# KiCad board APA102_Matrix.kicad_pcb
title: APA102_Matrix; date: 2022-02-06; rev: 1.0; company: Aditya Sehgal
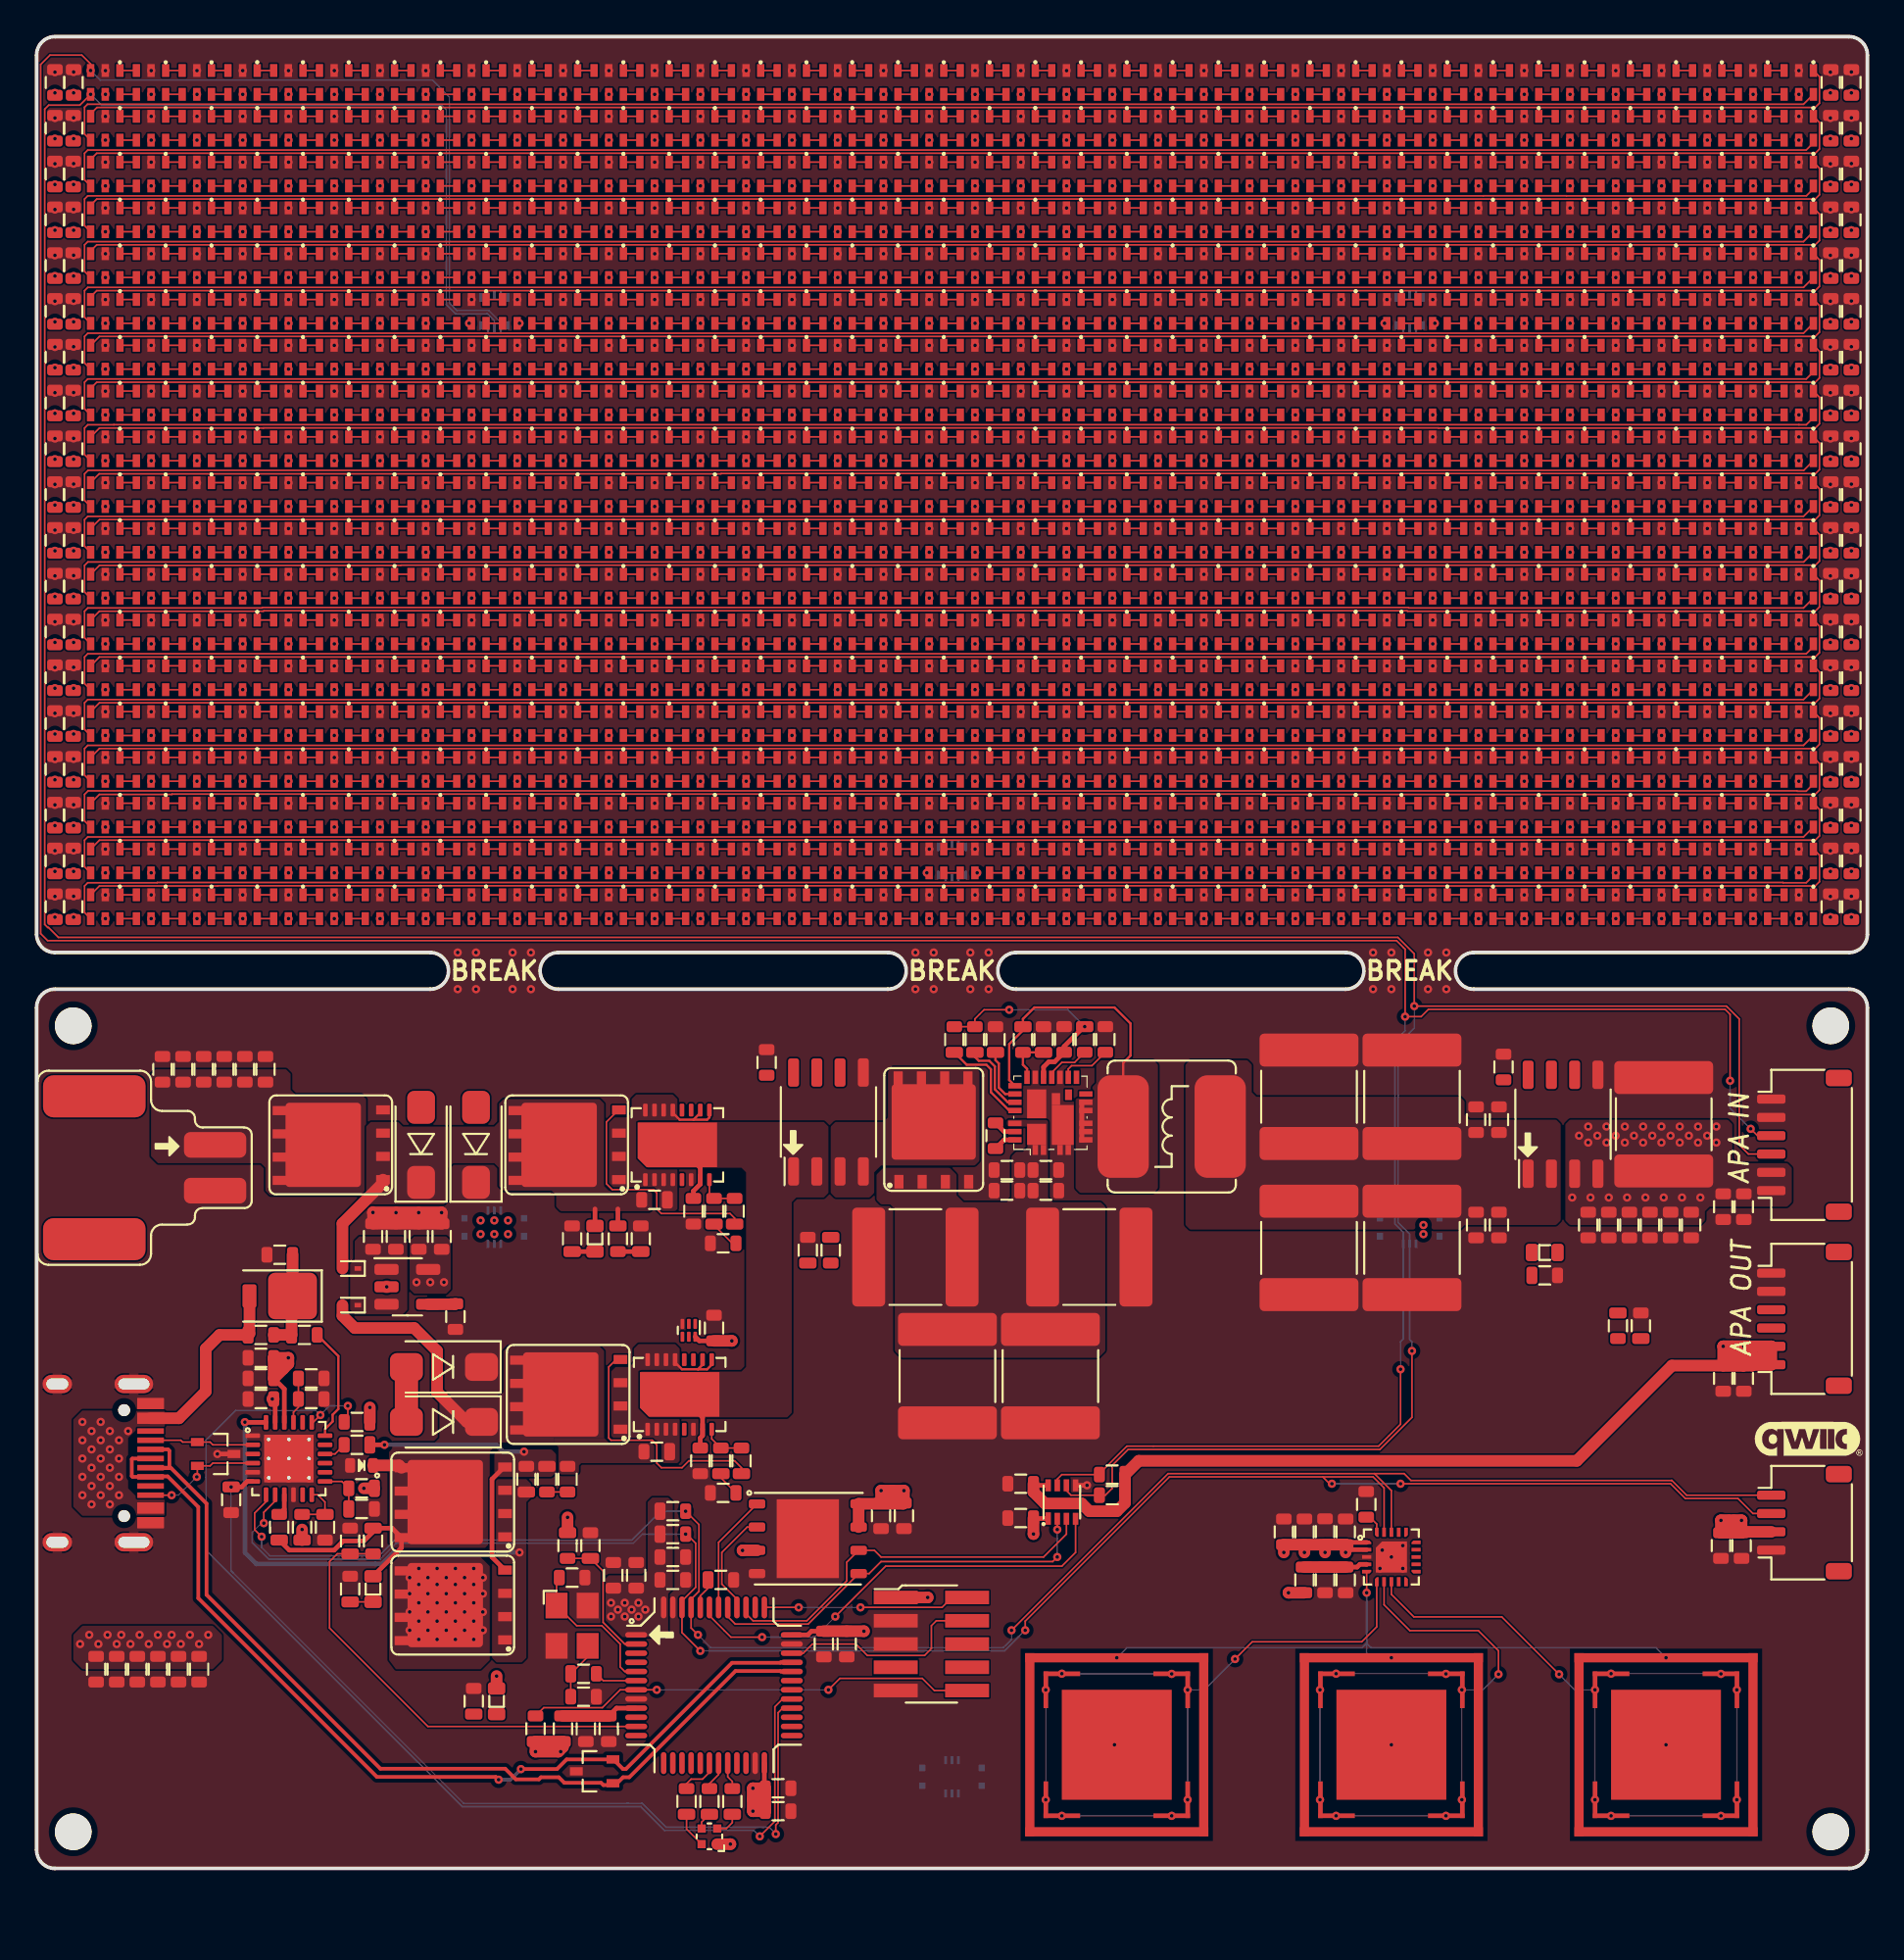
[diagram p0: board, top side]
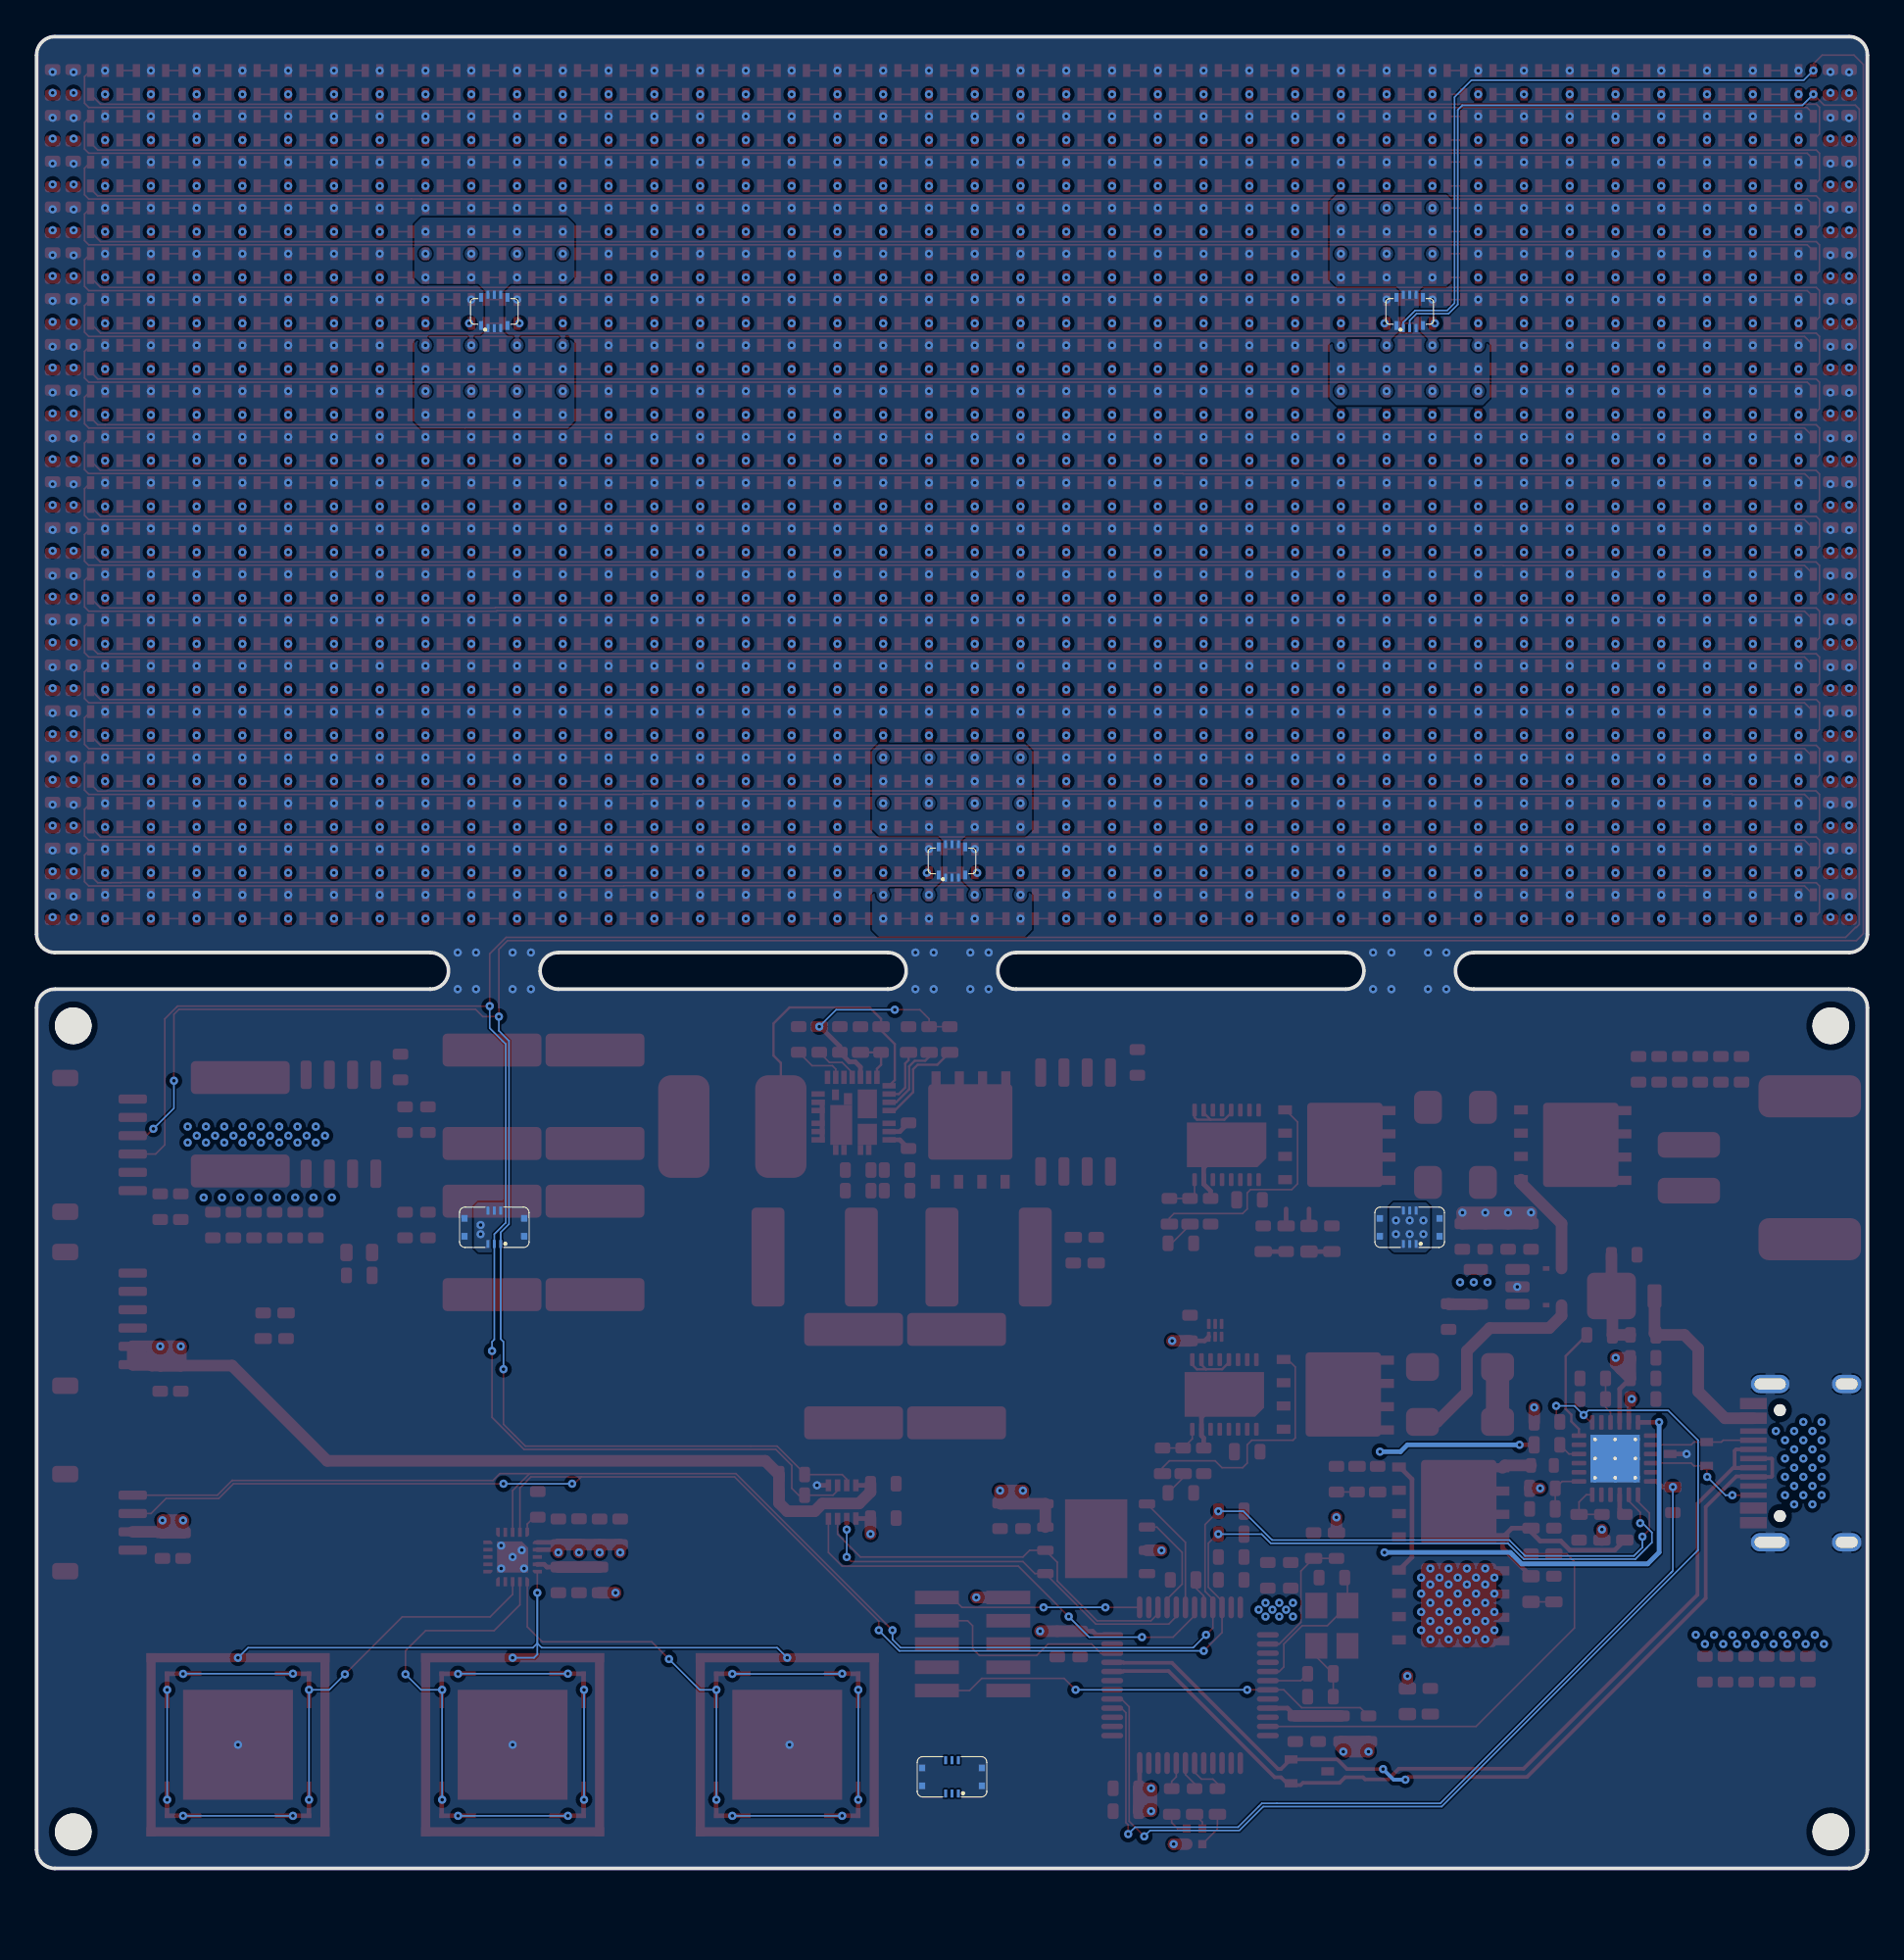
[diagram p1: board, bottom side, seen from below]

Outline 100 x 100 mm; copper layers: F_PWR_SIGNAL.Cu, In1_GND.Cu, In2_PWR.Cu, B_GND_SIGNAL.Cu. Coordinates in mm from the lower left corner of the outline.
Outline path: 0,99 arc(0.29,99.71) 1,100 99,100 arc(99.71,99.71) 100,99 100,51 arc(99.71,50.29) 99,50 78.5,50 arc(77.5,49) 78.5,48 99,48 arc(99.71,47.71) 100,47 100,1 arc(99.71,0.29) 99,0 1,0 arc(0.29,0.29) 0,1 0,47 arc(0.29,47.71) 1,48 21.5,48 arc(22.5,49) 21.5,50 1,50 arc(0.29,50.29) 0,51 0,99 ; 28.5,50 46.5,50 arc(47.5,49) 46.5,48 28.5,48 arc(27.5,49) 28.5,50 ; 53.5,50 71.5,50 arc(72.5,49) 71.5,48 53.5,48 arc(52.5,49) 53.5,50
Stack: F_PWR_SIGNAL.Cu 0.035mm / dielectric 0.2mm FR4 7628*1 er 4.6 / In1_GND.Cu 0.0175mm / dielectric 1.065mm FR4 er 4.6 / In2_PWR.Cu 0.0175mm / dielectric 0.2mm FR4 7628*1 er 4.6 / B_GND_SIGNAL.Cu 0.035mm

## Placement (name value [footprint] x y rotation side)
C1  100nF  [C_0603]  2.02 97.5 90 top
C2  100nF  [C_0603]  1 97.5 90 top
C3  100nF  [C_0603]  98 97.5 90 top
C4  100nF  [C_0603]  99.12 97.5 90 top
C5  100nF  [C_0603]  1 95 90 top
C6  100nF  [C_0603]  2 95 90 top
C7  100nF  [C_0603]  98 95 90 top
C8  100nF  [C_0603]  99.12 95 90 top
C9  100nF  [C_0603]  2 92.5 90 top
C10  100nF  [C_0603]  1 92.5 90 top
C11  100nF  [C_0603]  98 92.5 90 top
C12  100nF  [C_0603]  99.12 92.5 90 top
C13  100nF  [C_0603]  1 90 90 top
C14  100nF  [C_0603]  2 90 90 top
C15  100nF  [C_0603]  99.12 90 90 top
C16  100nF  [C_0603]  98 90 90 top
C17  100nF  [C_0603]  1 87.5 90 top
C18  100nF  [C_0603]  2 87.5 90 top
C19  100nF  [C_0603]  98 87.5 90 top
C20  100nF  [C_0603]  99.12 87.5 90 top
C21  100nF  [C_0603]  1 85 90 top
C22  100nF  [C_0603]  2 85 90 top
C23  100nF  [C_0603]  98 85 90 top
C24  100nF  [C_0603]  99.12 85 90 top
C25  100nF  [C_0603]  1 82.5 90 top
C26  100nF  [C_0603]  2 82.5 90 top
C27  100nF  [C_0603]  98 82.5 90 top
C28  100nF  [C_0603]  99.12 82.5 90 top
C29  100nF  [C_0603]  1 80 90 top
C30  100nF  [C_0603]  2 80 90 top
C31  100nF  [C_0603]  98 80 90 top
C32  100nF  [C_0603]  99.12 80 90 top
C33  100nF  [C_0603]  1 77.5 90 top
C34  100nF  [C_0603]  2 77.5 90 top
C35  100nF  [C_0603]  98 77.5 90 top
C36  100nF  [C_0603]  99.12 77.5 90 top
C37  100nF  [C_0603]  1 75 90 top
C38  100nF  [C_0603]  2 75 90 top
C39  100nF  [C_0603]  98 75 90 top
C40  100nF  [C_0603]  99.12 75 90 top
C41  100nF  [C_0603]  1 72.5 90 top
C42  100nF  [C_0603]  2 72.5 90 top
C43  100nF  [C_0603]  98 72.5 90 top
C44  100nF  [C_0603]  99.12 72.5 90 top
C45  100nF  [C_0603]  1 70 90 top
C46  100nF  [C_0603]  2 70 90 top
C47  100nF  [C_0603]  98 70 90 top
C48  100nF  [C_0603]  99.12 70 90 top
C49  100nF  [C_0603]  1 67.5 90 top
C50  100nF  [C_0603]  2 67.5 90 top
C51  100nF  [C_0603]  98 67.5 90 top
C52  100nF  [C_0603]  99.12 67.5 90 top
C53  100nF  [C_0603]  1 65 90 top
C54  100nF  [C_0603]  2 65 90 top
C55  100nF  [C_0603]  98 65 90 top
C56  100nF  [C_0603]  99.12 65 90 top
C57  100nF  [C_0603]  1 62.5 90 top
C58  100nF  [C_0603]  2 62.5 90 top
C59  100nF  [C_0603]  98 62.5 90 top
C60  100nF  [C_0603]  99.12 62.5 90 top
C61  100nF  [C_0603]  1 60 90 top
C62  100nF  [C_0603]  2 60 90 top
C63  100nF  [C_0603]  98 60 90 top
C64  100nF  [C_0603]  99.12 60 90 top
C65  100nF  [C_0603]  1 57.5 90 top
C66  100nF  [C_0603]  2 57.5 90 top
C67  100nF  [C_0603]  98 57.5 90 top
C68  100nF  [C_0603]  99.12 57.5 90 top
C69  100nF  [C_0603]  1 55 90 top
C70  100nF  [C_0603]  2 55 90 top
C71  100nF  [C_0603]  98 55 90 top
C72  100nF  [C_0603]  99.12 55 90 top
C73  100nF  [C_0603]  1 52.5 90 top
C74  100nF  [C_0603]  2 52.5 90 top
C75  100nF  [C_0603]  98 52.5 90 top
C76  100nF  [C_0603]  99.12 52.5 90 top
C77  100nF  [C_0603]  39.88 44 90 top
C78  100nF  [C_0603]  80.12 43.75 90 top
C79  2u2F  [C_0603]  19.62 34.5 90 top
C80  100nF  [C_0603]  18.38 34.5 90 top
C81  2u2F  [C_0603]  20.88 34.5 90 top
C82  100nF  [C_0603]  22.12 34.5 90 top
C83  470pF  [C_0603]  22.88 30.12 270 top
C84  100nF  [C_0603]  93.25 26.75 270 top
C85  10uF  [C_0603]  92.12 26.75 270 top
C86  22uF  [C_2220]  88.88 40.62 90 top
C87  100nF  [C_0603]  53.75 19.12 0 top
C88  100nF  [C_0603]  53.75 21 0 top
C89  100nF  [C_0603]  93.12 17.62 90 top
C90  10uF  [C_0603]  47.38 19.25 270 top
C91  100nF  [C_0603]  46.12 19.25 270 top
C92  10uF  [C_0603]  31.5 16 90 top
C93  100nF  [C_0603]  32.75 16 90 top
C94  10uF  [C_0603]  34.75 17 0 top
C95  100nF  [C_0603]  34.75 15.75 0 top
C96  10uF  [C_0603]  40.5 3.12 0 top
C97  100nF  [C_0603]  40.5 4.38 0 top
C98  10uF  [C_0603]  44.25 12.25 270 top
C99  100nF  [C_0603]  43 12.25 270 top
C100  10uF  [C_0603]  30 7.62 270 top
C101  100nF  [C_0603]  31.25 7.62 270 top
C102  22pF  [C_0603]  29.88 9.38 0 top
C103  22pF  [C_0603]  29.25 15.88 0 top
C104  100nF  [C_0603]  52.38 40 270 top
C105  22uF  [C_2220]  49.75 26.88 270 top
C106  22uF  [C_2220]  55.38 26.88 270 top
C107  22uF  [C_2220]  57.5 33.38 0 top
C108  22uF  [C_2220]  48 33.38 180 top
C109  22uF  [C_2220]  69.5 33.88 270 top
C110  22uF  [C_2220]  69.5 42.12 90 top
C111  22uF  [C_2220]  75.12 42.12 90 top
C112  22uF  [C_2220]  75.12 33.88 270 top
C113  100nF  [C_0603]  53 38.12 180 top
C114  100nF  [C_0603]  53 37 180 top
C115  100nF  [C_0603]  55.12 37 0 top
C116  100nF  [C_0603]  55.12 38.12 0 top
C117  100nF  [C_0603]  79.88 40.88 90 top
C118  100nF  [C_0603]  78.62 40.88 90 top
C119  100nF  [C_0603]  78.62 35.12 270 top
C120  100nF  [C_0603]  79.88 35.12 270 top
C121  100nF  [C_0603]  56.12 45.25 90 top
C122  1uF  [C_0603]  58.38 45.25 90 top
C123  10uF  [C_0603]  69.25 18.38 90 top
C124  100nF  [C_0603]  68.12 18.38 90 top
C125  10uF  [C_0603]  70.38 18.39 90 top
C126  100nF  [C_0603]  71.5 18.38 90 top
C127  10uF  [C_0603]  71.5 15.75 270 top
C128  100nF  [C_0603]  70.38 15.75 270 top
C129  100nF  [C_0603]  72.62 19.88 90 top
C130  1uF  [C_0603]  12.25 25.62 0 top
C131  100nF  [C_0603]  12.25 27.88 180 top
C132  100nF  [C_0603]  29 21.25 270 top
C133  1uF  [C_0603]  15 25.62 180 top
C134  10uF  [C_0603]  12.25 26.75 180 top
C135  10uF  [C_0603]  13.28 33.5 180 top
C136  1uF  [C_0603]  15 26.75 180 top
C137  100nF  [C_0603]  37 29.5 90 top
C138  10nF  [C_0603]  37.5 20.5 180 top
C139  10nF  [C_0603]  37.5 34.12 180 top
C140  1u5F  [C_0603]  36.25 22.25 270 top
C141  1u5F  [C_0603]  35.88 35.88 270 top
C142  100nF  [C_0603]  6.88 43.62 90 top
C143  100nF  [C_0603]  9.12 43.62 90 top
C144  100nF  [C_0603]  11.38 43.62 90 top
C145  10uF  [C_0603]  8 43.62 90 top
C146  10uF  [C_0603]  10.25 43.62 90 top
C147  10uF  [C_0603]  12.5 43.62 90 top
C148  100nF  [C_0603]  6.62 10.88 270 top
C149  100nF  [C_0603]  8.88 10.88 270 top
C150  100nF  [C_0603]  4.38 10.88 270 top
C151  10uF  [C_0603]  5.5 10.88 270 top
C152  10uF  [C_0603]  3.25 10.88 270 top
C153  10uF  [C_0603]  7.75 10.88 270 top
C154  10uF  [C_0603]  92 17.62 270 top
C155  100nF  [C_0603]  93.25 36.12 270 top
C156  10uF  [C_0603]  92.12 36.12 270 top
C157  100nF  [C_0603]  90.38 35.12 270 top
C158  100nF  [C_0603]  88.12 35.12 270 top
C159  100nF  [C_0603]  85.88 35.12 270 top
C160  10uF  [C_0603]  89.25 35.12 270 top
C161  10uF  [C_0603]  87 35.12 270 top
C162  10uF  [C_0603]  84.75 35.12 270 top
CN1  -  [1702473]  9.75 38.25 270 top
CN2  -  [SM06B_SRSS_TB]  96.75 30 90 top
CN3  -  [SM04B_SRSS_TB]  96.75 18.88 90 top
CN4  -  [5054130610]  75 35 180 bottom
CN5  -  [5052740612]  25 85 180 bottom
CN6  -  [5054130610]  50 5 180 bottom
CN7  -  [5052740612]  50 55 180 bottom
CN8  -  [5054130610]  25 35 180 bottom
CN9  -  [5052740612]  75 85 180 bottom
CN10  -  [SM06B_SRSS_TB]  96.75 39.5 90 top
D1  SK9822  [SK9822_2020]  3.75 97.5 270 top
D2  SK9822  [SK9822_2020]  6.25 97.5 270 top
D3  SK9822  [SK9822_2020]  8.75 97.5 270 top
D4  SK9822  [SK9822_2020]  11.25 97.5 270 top
D5  SK9822  [SK9822_2020]  13.75 97.5 270 top
D6  SK9822  [SK9822_2020]  16.25 97.5 270 top
D7  SK9822  [SK9822_2020]  18.75 97.5 270 top
D8  SK9822  [SK9822_2020]  21.25 97.5 270 top
D9  SK9822  [SK9822_2020]  23.75 97.5 270 top
D10  SK9822  [SK9822_2020]  26.25 97.5 270 top
D11  SK9822  [SK9822_2020]  28.75 97.5 270 top
D12  SK9822  [SK9822_2020]  31.25 97.5 270 top
D13  SK9822  [SK9822_2020]  33.75 97.5 270 top
D14  SK9822  [SK9822_2020]  36.25 97.5 270 top
D15  SK9822  [SK9822_2020]  38.75 97.5 270 top
D16  SK9822  [SK9822_2020]  41.25 97.5 270 top
D17  SK9822  [SK9822_2020]  43.75 97.5 270 top
D18  SK9822  [SK9822_2020]  46.25 97.5 270 top
D19  SK9822  [SK9822_2020]  48.75 97.5 270 top
D20  SK9822  [SK9822_2020]  51.25 97.5 270 top
D21  SK9822  [SK9822_2020]  53.75 97.5 270 top
D22  SK9822  [SK9822_2020]  56.25 97.5 270 top
D23  SK9822  [SK9822_2020]  58.75 97.5 270 top
D24  SK9822  [SK9822_2020]  61.25 97.5 270 top
D25  SK9822  [SK9822_2020]  63.75 97.5 270 top
D26  SK9822  [SK9822_2020]  66.25 97.5 270 top
D27  SK9822  [SK9822_2020]  68.75 97.5 270 top
D28  SK9822  [SK9822_2020]  71.25 97.5 270 top
D29  SK9822  [SK9822_2020]  73.75 97.5 270 top
D30  SK9822  [SK9822_2020]  76.25 97.5 270 top
D31  SK9822  [SK9822_2020]  78.75 97.5 270 top
D32  SK9822  [SK9822_2020]  81.25 97.5 270 top
D33  SK9822  [SK9822_2020]  83.75 97.5 270 top
D34  SK9822  [SK9822_2020]  86.25 97.5 270 top
D35  SK9822  [SK9822_2020]  88.75 97.5 270 top
D36  SK9822  [SK9822_2020]  91.25 97.5 270 top
D37  SK9822  [SK9822_2020]  93.75 97.5 270 top
D38  SK9822  [SK9822_2020]  96.25 97.5 270 top
D39  SK9822  [SK9822_2020]  3.75 95 270 top
D40  SK9822  [SK9822_2020]  6.25 95 270 top
D41  SK9822  [SK9822_2020]  8.75 95 270 top
D42  SK9822  [SK9822_2020]  11.25 95 270 top
D43  SK9822  [SK9822_2020]  13.75 95 270 top
D44  SK9822  [SK9822_2020]  16.25 95 270 top
D45  SK9822  [SK9822_2020]  18.75 95 270 top
D46  SK9822  [SK9822_2020]  21.25 95 270 top
D47  SK9822  [SK9822_2020]  23.75 95 270 top
D48  SK9822  [SK9822_2020]  26.25 95 270 top
D49  SK9822  [SK9822_2020]  28.75 95 270 top
D50  SK9822  [SK9822_2020]  31.25 95 270 top
D51  SK9822  [SK9822_2020]  33.75 95 270 top
D52  SK9822  [SK9822_2020]  36.25 95 270 top
D53  SK9822  [SK9822_2020]  38.75 95 270 top
D54  SK9822  [SK9822_2020]  41.25 95 270 top
D55  SK9822  [SK9822_2020]  43.75 95 270 top
D56  SK9822  [SK9822_2020]  46.25 95 270 top
D57  SK9822  [SK9822_2020]  48.75 95 270 top
D58  SK9822  [SK9822_2020]  51.25 95 270 top
D59  SK9822  [SK9822_2020]  53.75 95 270 top
D60  SK9822  [SK9822_2020]  56.25 95 270 top
D61  SK9822  [SK9822_2020]  58.75 95 270 top
D62  SK9822  [SK9822_2020]  61.25 95 270 top
D63  SK9822  [SK9822_2020]  63.75 95 270 top
D64  SK9822  [SK9822_2020]  66.25 95 270 top
D65  SK9822  [SK9822_2020]  68.75 95 270 top
D66  SK9822  [SK9822_2020]  71.25 95 270 top
D67  SK9822  [SK9822_2020]  73.75 95 270 top
D68  SK9822  [SK9822_2020]  76.25 95 270 top
D69  SK9822  [SK9822_2020]  78.75 95 270 top
D70  SK9822  [SK9822_2020]  81.25 95 270 top
D71  SK9822  [SK9822_2020]  83.75 95 270 top
D72  SK9822  [SK9822_2020]  86.25 95 270 top
D73  SK9822  [SK9822_2020]  88.75 95 270 top
D74  SK9822  [SK9822_2020]  91.25 95 270 top
D75  SK9822  [SK9822_2020]  93.75 95 270 top
D76  SK9822  [SK9822_2020]  96.25 95 270 top
D77  SK9822  [SK9822_2020]  3.75 92.5 270 top
D78  SK9822  [SK9822_2020]  6.25 92.5 270 top
D79  SK9822  [SK9822_2020]  8.75 92.5 270 top
D80  SK9822  [SK9822_2020]  11.25 92.5 270 top
D81  SK9822  [SK9822_2020]  13.75 92.5 270 top
D82  SK9822  [SK9822_2020]  16.25 92.5 270 top
D83  SK9822  [SK9822_2020]  18.75 92.5 270 top
D84  SK9822  [SK9822_2020]  21.25 92.5 270 top
D85  SK9822  [SK9822_2020]  23.75 92.5 270 top
D86  SK9822  [SK9822_2020]  26.25 92.5 270 top
D87  SK9822  [SK9822_2020]  28.75 92.5 270 top
D88  SK9822  [SK9822_2020]  31.25 92.5 270 top
D89  SK9822  [SK9822_2020]  33.75 92.5 270 top
D90  SK9822  [SK9822_2020]  36.25 92.5 270 top
D91  SK9822  [SK9822_2020]  38.75 92.5 270 top
D92  SK9822  [SK9822_2020]  41.25 92.5 270 top
D93  SK9822  [SK9822_2020]  43.75 92.5 270 top
D94  SK9822  [SK9822_2020]  46.25 92.5 270 top
D95  SK9822  [SK9822_2020]  48.75 92.5 270 top
D96  SK9822  [SK9822_2020]  51.25 92.5 270 top
D97  SK9822  [SK9822_2020]  53.75 92.5 270 top
D98  SK9822  [SK9822_2020]  56.25 92.5 270 top
D99  SK9822  [SK9822_2020]  58.75 92.5 270 top
D100  SK9822  [SK9822_2020]  61.25 92.5 270 top
D101  SK9822  [SK9822_2020]  63.75 92.5 270 top
D102  SK9822  [SK9822_2020]  66.25 92.5 270 top
D103  SK9822  [SK9822_2020]  68.75 92.5 270 top
D104  SK9822  [SK9822_2020]  71.25 92.5 270 top
D105  SK9822  [SK9822_2020]  73.75 92.5 270 top
D106  SK9822  [SK9822_2020]  76.25 92.5 270 top
D107  SK9822  [SK9822_2020]  78.75 92.5 270 top
D108  SK9822  [SK9822_2020]  81.25 92.5 270 top
D109  SK9822  [SK9822_2020]  83.75 92.5 270 top
D110  SK9822  [SK9822_2020]  86.25 92.5 270 top
D111  SK9822  [SK9822_2020]  88.75 92.5 270 top
D112  SK9822  [SK9822_2020]  91.25 92.5 270 top
D113  SK9822  [SK9822_2020]  93.75 92.5 270 top
D114  SK9822  [SK9822_2020]  96.25 92.5 270 top
D115  SK9822  [SK9822_2020]  3.75 90 270 top
D116  SK9822  [SK9822_2020]  6.25 90 270 top
D117  SK9822  [SK9822_2020]  8.75 90 270 top
D118  SK9822  [SK9822_2020]  11.25 90 270 top
D119  SK9822  [SK9822_2020]  13.75 90 270 top
D120  SK9822  [SK9822_2020]  16.25 90 270 top
D121  SK9822  [SK9822_2020]  18.75 90 270 top
D122  SK9822  [SK9822_2020]  21.25 90 270 top
D123  SK9822  [SK9822_2020]  23.75 90 270 top
D124  SK9822  [SK9822_2020]  26.25 90 270 top
D125  SK9822  [SK9822_2020]  28.75 90 270 top
D126  SK9822  [SK9822_2020]  31.25 90 270 top
D127  SK9822  [SK9822_2020]  33.75 90 270 top
D128  SK9822  [SK9822_2020]  36.25 90 270 top
D129  SK9822  [SK9822_2020]  38.75 90 270 top
D130  SK9822  [SK9822_2020]  41.25 90 270 top
D131  SK9822  [SK9822_2020]  43.75 90 270 top
D132  SK9822  [SK9822_2020]  46.25 90 270 top
D133  SK9822  [SK9822_2020]  48.75 90 270 top
D134  SK9822  [SK9822_2020]  51.25 90 270 top
D135  SK9822  [SK9822_2020]  53.75 90 270 top
D136  SK9822  [SK9822_2020]  56.25 90 270 top
D137  SK9822  [SK9822_2020]  58.75 90 270 top
D138  SK9822  [SK9822_2020]  61.25 90 270 top
D139  SK9822  [SK9822_2020]  63.75 90 270 top
D140  SK9822  [SK9822_2020]  66.25 90 270 top
D141  SK9822  [SK9822_2020]  68.75 90 270 top
D142  SK9822  [SK9822_2020]  71.25 90 270 top
D143  SK9822  [SK9822_2020]  73.75 90 270 top
D144  SK9822  [SK9822_2020]  76.25 90 270 top
D145  SK9822  [SK9822_2020]  78.75 90 270 top
D146  SK9822  [SK9822_2020]  81.25 90 270 top
D147  SK9822  [SK9822_2020]  83.75 90 270 top
D148  SK9822  [SK9822_2020]  86.25 90 270 top
D149  SK9822  [SK9822_2020]  88.75 90 270 top
D150  SK9822  [SK9822_2020]  91.25 90 270 top
D151  SK9822  [SK9822_2020]  93.75 90 270 top
D152  SK9822  [SK9822_2020]  96.25 90 270 top
D153  SK9822  [SK9822_2020]  3.75 87.5 270 top
D154  SK9822  [SK9822_2020]  6.25 87.5 270 top
D155  SK9822  [SK9822_2020]  8.75 87.5 270 top
D156  SK9822  [SK9822_2020]  11.25 87.5 270 top
D157  SK9822  [SK9822_2020]  13.75 87.5 270 top
D158  SK9822  [SK9822_2020]  16.25 87.5 270 top
D159  SK9822  [SK9822_2020]  18.75 87.5 270 top
D160  SK9822  [SK9822_2020]  21.25 87.5 270 top
D161  SK9822  [SK9822_2020]  23.75 87.5 270 top
D162  SK9822  [SK9822_2020]  26.25 87.5 270 top
D163  SK9822  [SK9822_2020]  28.75 87.5 270 top
D164  SK9822  [SK9822_2020]  31.25 87.5 270 top
D165  SK9822  [SK9822_2020]  33.75 87.5 270 top
D166  SK9822  [SK9822_2020]  36.25 87.5 270 top
D167  SK9822  [SK9822_2020]  38.75 87.5 270 top
D168  SK9822  [SK9822_2020]  41.25 87.5 270 top
D169  SK9822  [SK9822_2020]  43.75 87.5 270 top
D170  SK9822  [SK9822_2020]  46.25 87.5 270 top
D171  SK9822  [SK9822_2020]  48.75 87.5 270 top
D172  SK9822  [SK9822_2020]  51.25 87.5 270 top
D173  SK9822  [SK9822_2020]  53.75 87.5 270 top
D174  SK9822  [SK9822_2020]  56.25 87.5 270 top
D175  SK9822  [SK9822_2020]  58.75 87.5 270 top
D176  SK9822  [SK9822_2020]  61.25 87.5 270 top
D177  SK9822  [SK9822_2020]  63.75 87.5 270 top
D178  SK9822  [SK9822_2020]  66.25 87.5 270 top
D179  SK9822  [SK9822_2020]  68.75 87.5 270 top
D180  SK9822  [SK9822_2020]  71.25 87.5 270 top
D181  SK9822  [SK9822_2020]  73.75 87.5 270 top
D182  SK9822  [SK9822_2020]  76.25 87.5 270 top
D183  SK9822  [SK9822_2020]  78.75 87.5 270 top
D184  SK9822  [SK9822_2020]  81.25 87.5 270 top
D185  SK9822  [SK9822_2020]  83.75 87.5 270 top
D186  SK9822  [SK9822_2020]  86.25 87.5 270 top
D187  SK9822  [SK9822_2020]  88.75 87.5 270 top
D188  SK9822  [SK9822_2020]  91.25 87.5 270 top
D189  SK9822  [SK9822_2020]  93.75 87.5 270 top
D190  SK9822  [SK9822_2020]  96.25 87.5 270 top
D191  SK9822  [SK9822_2020]  3.75 85 270 top
D192  SK9822  [SK9822_2020]  6.25 85 270 top
D193  SK9822  [SK9822_2020]  8.75 85 270 top
D194  SK9822  [SK9822_2020]  11.25 85 270 top
D195  SK9822  [SK9822_2020]  13.75 85 270 top
D196  SK9822  [SK9822_2020]  16.25 85 270 top
D197  SK9822  [SK9822_2020]  18.75 85 270 top
D198  SK9822  [SK9822_2020]  21.25 85 270 top
D199  SK9822  [SK9822_2020]  23.75 85 270 top
D200  SK9822  [SK9822_2020]  26.25 85 270 top
D201  SK9822  [SK9822_2020]  28.75 85 270 top
D202  SK9822  [SK9822_2020]  31.25 85 270 top
D203  SK9822  [SK9822_2020]  33.75 85 270 top
D204  SK9822  [SK9822_2020]  36.25 85 270 top
D205  SK9822  [SK9822_2020]  38.75 85 270 top
D206  SK9822  [SK9822_2020]  41.25 85 270 top
D207  SK9822  [SK9822_2020]  43.75 85 270 top
D208  SK9822  [SK9822_2020]  46.25 85 270 top
D209  SK9822  [SK9822_2020]  48.75 85 270 top
D210  SK9822  [SK9822_2020]  51.25 85 270 top
D211  SK9822  [SK9822_2020]  53.75 85 270 top
D212  SK9822  [SK9822_2020]  56.25 85 270 top
D213  SK9822  [SK9822_2020]  58.75 85 270 top
D214  SK9822  [SK9822_2020]  61.25 85 270 top
D215  SK9822  [SK9822_2020]  63.75 85 270 top